# Altium PCB MCU063B_PCB.PcbDoc (part 5 of 9)
Units mil, origin at the board's own origin, x right, y up, seen from the top; angles counter-clockwise.
Board outline 4165.01 x 2371.03 mil, 10 copper layers (Top Layer, Internal Plane 2, Signal Layer 3, Signal Layer 4, Internal Plane 5, Internal Plane 6, Signal Layer 7, Signal Layer 8, Internal Plane 9, Bottom), stack 59.9 mil thick; 440 components, 394 nets, 1760 pads, 1251 vias.
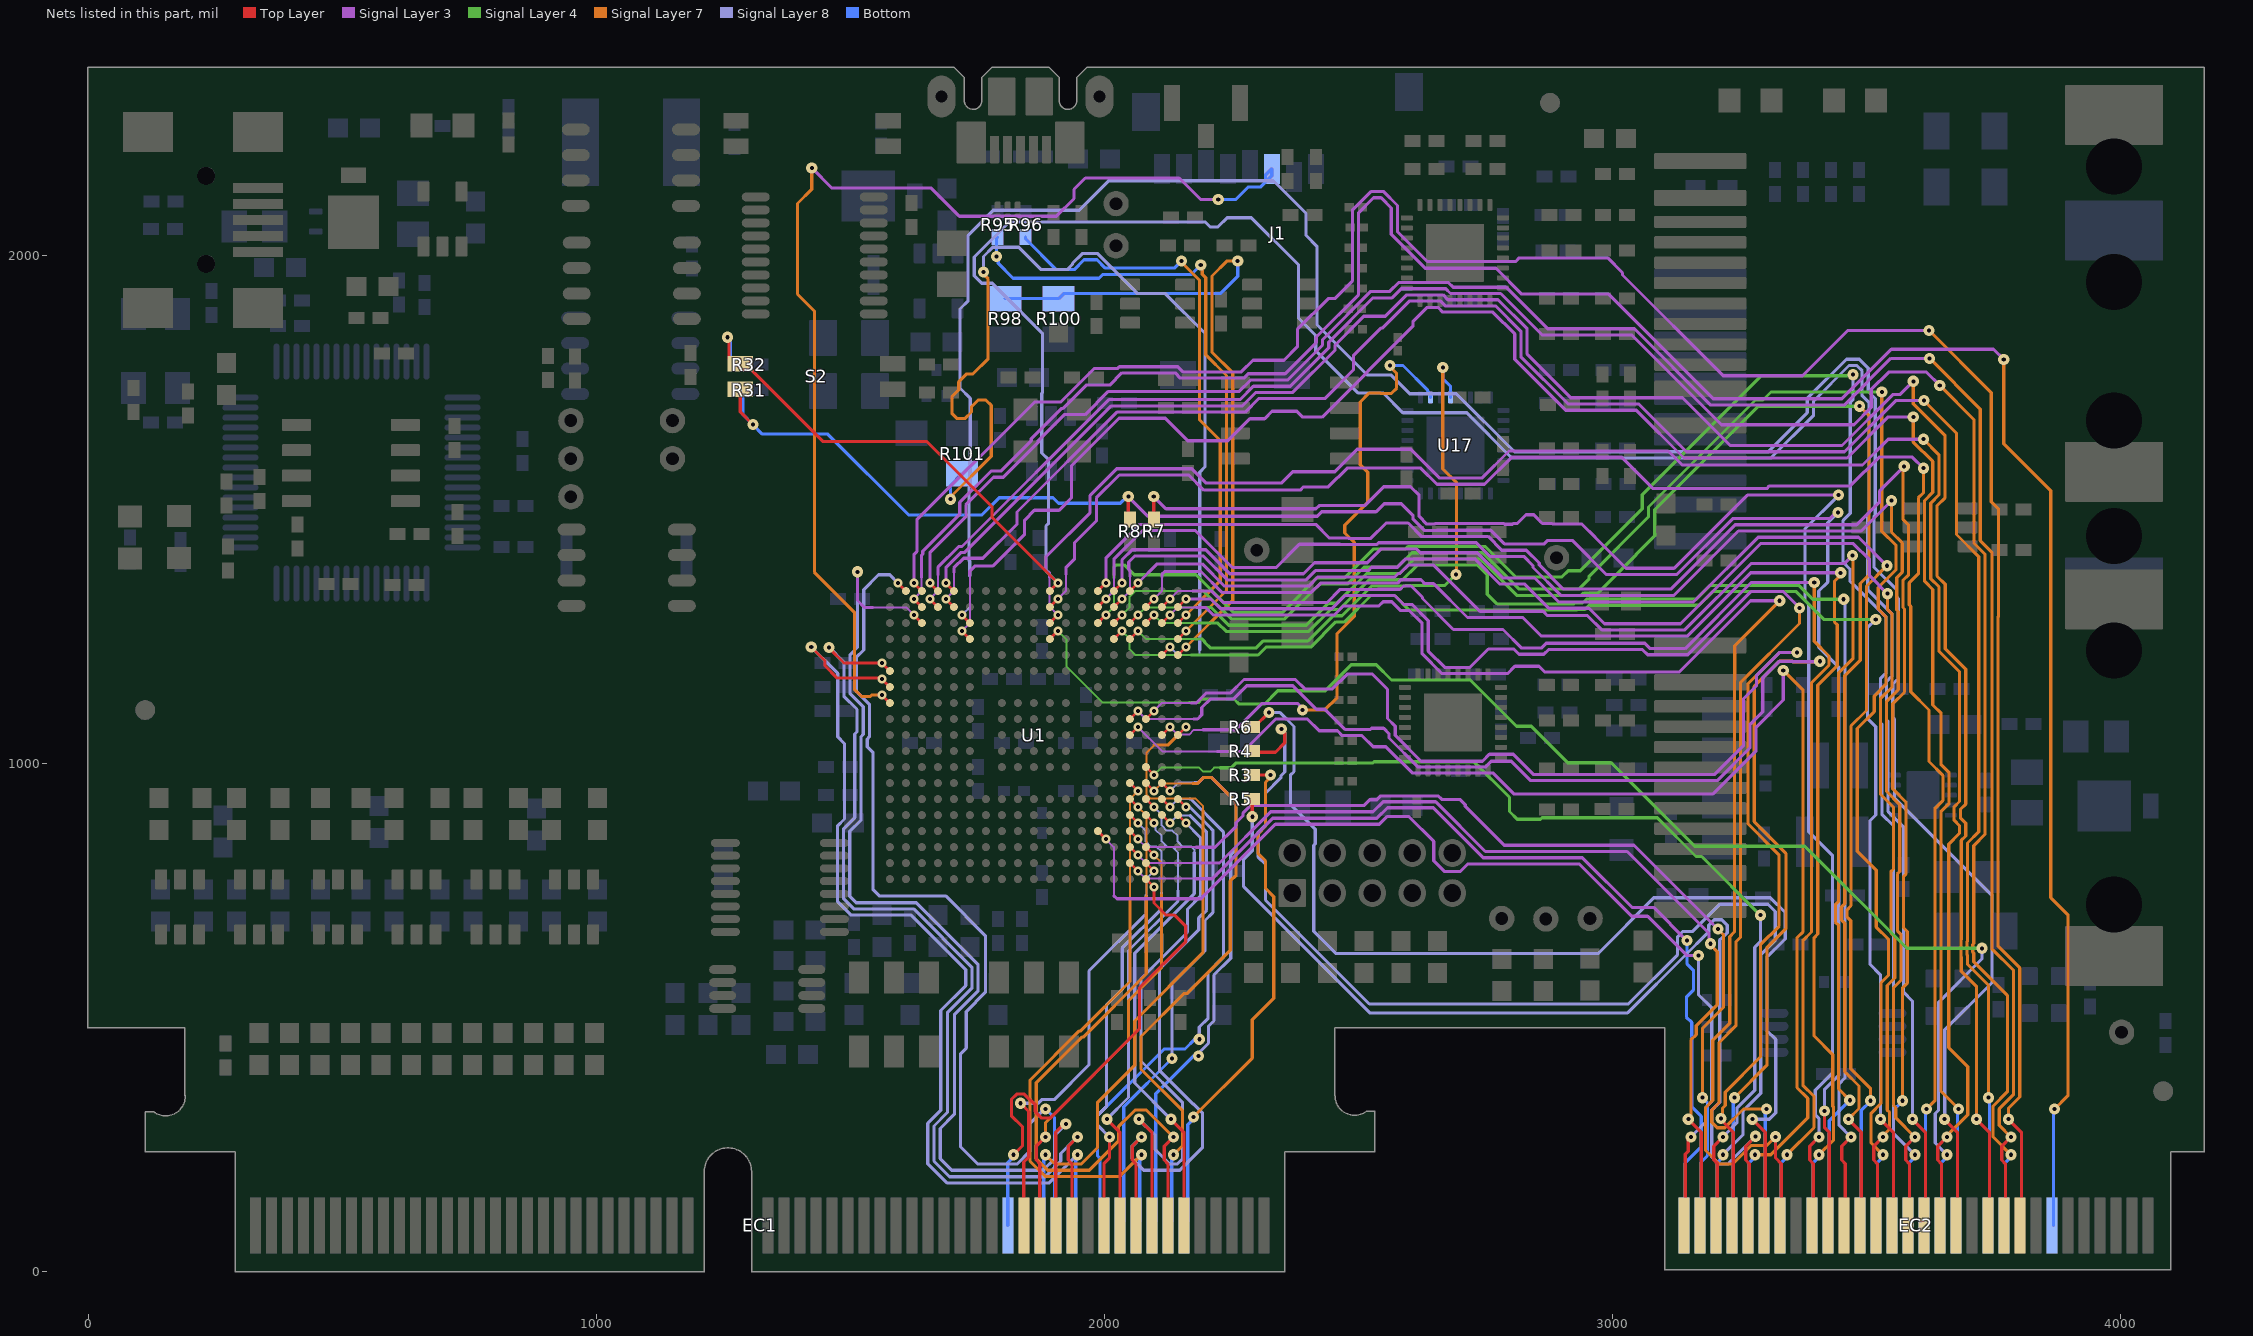
[diagram p13: the nets of this part, all layers, seen from the top]

## Via types
v1: diameter 22, hole 8, Top Layer to Bottom, tented both sides, 895 vias
v2: diameter 18, hole 8, Top Layer to Bottom, tented both sides, 334 vias
v3: diameter 19.68, hole 7.87, Top Layer to Bottom, tented both sides, 19 vias
v4: diameter 18, hole 7.87, Top Layer to Bottom, tented both sides, 1 vias
v5: diameter 18/18/18/18/18/18 (per signal layer), hole 8, Top Layer to Bottom, tented both sides, 1 vias
v6: diameter 22/22/22/22/22/22 (per signal layer), hole 8, Top Layer to Bottom, tented both sides, 1 vias

## Nets (pads, with @x,y where several pads share a name; then routed paths per layer and width w, separated by ;. In a path a pad name is that pad's centre, name@x,y a point inside that pad or via, vN(x,y) a via of type N, cw(c..) or ccw(c..) an arc to the next point about the centre after c; other vN are vias at no path point) (continued)
MCU_GPIO35: EC2.121 U1.T14 | length 2071.8
  Top Layer w6.25: U1.T14@1987.4,867.12 v2(2003.15,851.38) ; EC2.121@3143.43,91 3143.43,230.84 3149.23,236.65 3149.23,259.86 v1(3154.38,265)
  Signal Layer 3 w4: v2(2003.15,851.38) 2018.9,835.63 2018.9,739.62
  Signal Layer 3 w6.25: 2018.9,739.62 2024.82,733.7 2189.6,733.7 2336.55,880.65 2541.18,880.65 2556.03,895.5 2599.7,895.5 2648.35,846.85 2648.35,808.73 2669.73,787.35 2699.95,787.35 2714.9,802.3 2934.9,802.3 3037.89,699.31 3069.21,699.31 3146.21,622.31 v1(3169.21,622.31)
  Signal Layer 8 w6.25: v1(3154.38,265) 3183.25,293.87 3183.25,322.72 3195.33,334.8 3195.33,519.19 3169.21,545.31 v1(3169.21,622.31)
MCU_GPIO36: EC2.122 U1.V16 | length 1871.8
  Top Layer w6.25: U1.V16@2050.4,804.13 v2(2066.14,788.38)
  Signal Layer 3 w4: v2(2066.14,788.38) 2081.21,773.31 2179.21,773.31
  Signal Layer 3 w6.25: 2179.21,773.31 2212.21,773.31 2331.1,892.2 2536.4,892.2 2557.2,913 2647.28,913 2745.58,814.7 2940.7,814.7 3038.52,716.88 3081.13,716.88 v1(3146.51,651.5)
  Bottom w6.25: EC2.122@3143.43,91 3143.43,214.05 3174.93,245.55 3174.93,305.59 3156.02,324.5 3156.02,490.47 3145.55,500.93 3145.55,540.28 3159.33,554.07 3159.33,593.42 3146.51,606.24 v1(3146.51,651.5)
MCU_GPIO37: EC2.123 U1.U16 | length 1925.4
  Top Layer w6.25: U1.U16@2050.4,835.63 v2(2066.14,819.88) ; v1(3149.38,300) 3174.93,274.45 EC2.123@3174.93,91
  Signal Layer 3 w4: v2(2066.14,819.88) 2081.71,804.31 2181.21,804.31
  Signal Layer 3 w6.25: 2181.21,804.31 2226.71,804.31 2327.4,905 2528.86,905 2548.64,924.78 2652,924.78 2749.96,826.81 3028.83,826.81 3190.19,665.45 3190.19,648.33 v1(3193.21,645.31)
  Signal Layer 7 w6.25: v1(3149.38,300) 3154.52,305.15 3154.52,456.1 3164.96,466.54 3164.96,484.09 3206.33,525.46 3206.33,629.62 3193.21,642.75 v1(3193.21,645.31)
MCU_GPIO38: EC2.124 U1.T16 | length 1944
  Top Layer w6.25: U1.T16@2050.4,867.12 v2(2066.14,851.38)
  Signal Layer 3 w4: v2(2066.14,851.38) 2082.21,835.31 2180.21,835.31
  Signal Layer 3 w6.25: 2180.21,835.31 2217.84,835.31 2259.33,876.8 2259.33,883.93 2273.08,897.68 2273.08,902.82 2287.39,917.13 2510.66,917.13 2522.3,928.77 2536.3,928.77 2543.85,936.33 2656.78,936.33 2663.78,929.32 2699.61,929.32 2710.22,918.71 2710.22,915.74 2786.91,839.06 3042.46,839.06 3207.12,674.4 v1(3207.7,674.4)
  Signal Layer 7 w6.25: v1(3177.21,342.31) 3177.21,479.01 3218.58,520.39 3218.58,662.94 3207.7,673.82 v1(3207.7,674.4)
  Bottom w6.25: EC2.124@3174.93,91 3174.93,216.03 3187.21,228.31 3187.21,332.31 v1(3177.21,342.31)
MCU_GPIO39: EC1.88 U1.W17 | length 1007.8
  Top Layer w6.25: v1(1820.99,230) 1839.12,248.13 1839.12,284.59 1817.08,306.62 1817.08,338.82 1827.7,349.44 1842.71,349.44 1863.86,328.29 1863.86,315.03 1876.7,302.19 1893.71,302.19 2069.07,477.55 2069.07,558.15 2160.33,649.41 2160.33,679.82 2138.38,701.77 2121.26,701.77 2097.64,725.39 v2(2097.64,756.89) U1.W17@2081.89,772.63
  Bottom w6.25: EC1.88@1810.04,91 1810.04,214.05 1825.99,230 v1(1820.99,230)
MCU_GPIO40: EC1.89 U1.V17 | length 873.7
  Top Layer w6.25: v1(1835.21,331.31) 1851.37,315.15 1851.37,225.47 1841.54,215.65 EC1.89@1841.54,91 ; U1.V17@2081.89,804.13 v2(2097.64,788.38)
  Signal Layer 8 w4: 2082.64,741 2082.64,773.38 v2(2097.64,788.38)
  Signal Layer 8 w6.25: v1(1835.21,331.31) 1869.57,331.31 1876.7,338.44 1901.29,338.44 1969.71,406.86 1969.71,591.78 2082.64,704.72 2082.64,741
MCU_GPIO41: EC1.91 U1.U17 | length 862.6
  Top Layer w6.25: EC1.91@1873.04,91 1873.04,212.49 1865.86,219.66 1865.86,246.88 v1(1883.99,265) ; U1.U17@2081.89,835.63 v2(2097.64,819.88)
  Signal Layer 7 w4: v2(2097.64,819.88) 2112.64,804.88 2112.64,741.88
  Signal Layer 7 w6.25: v1(1883.99,265) 1883.99,292.46 2047.58,456.05 2047.58,533.41 2112.64,598.46 2112.64,741.88
MCU_GPIO42: R95.1 U1.D19 | length 1272.3
  Top Layer w6.25: U1.D19@2144.88,1245.08 v2(2160.63,1260.82)
  Signal Layer 7 w6.25: v2(2160.63,1260.82) 2240.38,1340.58 2240.38,1763.67 2199.63,1804.42 2199.63,1956.25 2192.77,1963.11 2192.77,1978.13 v1(2189.76,1981.14)
  Bottom w6.25: R95.1@1790.01,2036.38 1788.01,2034.38 v1(1788.01,1998) 1791.02,1994.99 1791.02,1984.35 1820.19,1955.19 1989.45,1955.19 1996.7,1962.44 2171.06,1962.44 v1(2189.76,1981.14)
MCU_GPIO43: R96.1 U1.C19 | length 1135.2
  Top Layer w6.25: U1.C19@2144.88,1276.57 v2(2160.63,1292.32)
  Signal Layer 7 w6.25: v1(2151.96,1989.19) 2151.96,1986.61 2187.38,1951.18 2187.38,1676.63 2228.13,1635.88 2228.13,1359.82 v2(2160.63,1292.32)
  Bottom w6.25: R96.1@1845.01,2036.38 1845.01,2032.44 1905.26,1972.19 1940.66,1972.19 1959.91,1991.44 1985.56,1991.44 2002,1975 2137.77,1975 v1(2151.96,1989.19)
MCU_GPIO44: U1.K18 U17.2 | length 1272.3
  Top Layer w6.25: U1.K18@2113.39,1056.1 v2(2129.14,1071.85)
  Signal Layer 3 w4: v2(2129.14,1071.85) 2144.14,1056.85 2166.85,1056.85 2176.31,1066.31 2194.21,1066.31
  Signal Layer 3 w6.25: 2194.21,1066.31 2258.95,1066.31 2311.08,1118.44 2380.08,1118.44 v1@2391.36,1107.16
  Signal Layer 7 w6.25: v1(2389.7,1105.5) 2434.14,1105.5 2458.08,1129.44 2458.08,1255.82 2491.76,1289.49 2491.76,1435.13 2473.08,1453.8 2473.08,1468.82 2518.33,1514.07 2518.33,1573.23 2503.83,1587.73 2503.83,1711.57 2521.7,1729.44 2542.58,1729.44 2543.83,1728.19 2564.71,1728.19 2575.33,1738.8 2575.33,1767.62 2562.21,1780.75 v1(2562.21,1783.31)
  Bottom w6.25: v1(2562.21,1783.31) 2587.9,1783.31 2636.22,1734.99 2636.22,1733.08 2641.86,1727.44 U17.2@2641.86,1720.55
MCU_GPIO45: EC1.92 U1.K19 | length 1348.9
  Top Layer w6.25: U1.K19@2144.88,1056.1 v2(2160.63,1071.85)
  Signal Layer 7 w4: 2098.21,1036.31 2082.64,1020.74 2082.64,939.65 2091.43,930.86 2179.66,930.86 2194,916.52 2194,907
  Signal Layer 7 w6.25: v1(1883.99,230) 1902.11,211.88 1954.49,211.88 1986.85,244.23 1986.85,333.24 2059.83,406.23 2059.83,493.3 2194,627.47 2194,907 ; 2098.21,1036.31 2125.1,1036.31 v2(2160.63,1071.85)
  Bottom w6.25: EC1.92@1873.04,91 1880.74,98.7 1880.74,222.49 1883.99,225.74 v1(1883.99,230)
MCU_GPIO46: R98.1 R100.2 U1.E19 | length 1376.3
  Top Layer w6.25: U1.E19@2144.88,1213.58 v2(2160.63,1229.33)
  Signal Layer 7 w6.25: v2(2160.63,1229.33) 2252.63,1321.33 2252.63,1768.74 2211.88,1809.49 2211.88,1959.51 2241.57,1989.19 v1(2262.45,1989.19)
  Bottom w6.25: R98.1@1805.01,1915 R100.2@1910.01,1915 1919.88,1924.88 1995.33,1924.88 2228.49,1924.85 2262.45,1958.81 v1(2262.45,1989.19)
MCU_GPIO47: R101.1 U1.E18 | length 1997.6
  Top Layer w6.25: U1.E18@2113.39,1213.58 v2(2129.14,1229.33)
  Signal Layer 7 w6.25: v1(1697.21,1520.31) 1697.21,1524.57 1777.33,1604.7 1777.33,1704.82 1766.71,1715.44 1751.7,1715.44 1738.61,1702.35 1738.61,1691.97 1725.52,1678.88 1710.5,1678.88 1699.88,1689.49 1699.88,1721.99 1713.29,1735.4 1713.29,1751.03 1729.14,1766.88 1741.52,1766.88 1771.33,1796.69 1771.33,1953.93 1762.21,1963.05 v1(1762.21,1967.31)
  Signal Layer 8 w4: v2(2129.14,1229.33) 2145.15,1213.31 2184.31,1213.31 2187.67,1216.67 2187.67,1223.78
  Signal Layer 8 w6.25: v1(1762.21,1967.31) 1762.21,1997.83 1780.5,2016.13 1831.64,2016.13 1875.58,1972.19 1926.71,1972.19 1937.33,1982.8 1937.33,1984.39 1956.63,2003.69 1987.31,2003.69 2066.12,1924.88 2119.77,1924.88 2198.13,1846.51 2198.13,1583.76 2187.67,1573.29 2187.67,1223.78
  Bottom w6.25: v1(1697.21,1520.31) 1697.21,1548.13 1719.08,1570 R101.1@1720.01,1570
MCU_GPIO48: EC1.99 U1.R16 | length 906
  Top Layer w6.25: EC1.99@1999.02,91 1999.02,212.49 2009.97,223.44 v1(2009.97,265) ; U1.R16@2050.4,898.62 v2(2066.14,882.87)
  Signal Layer 8 w4: v2(2066.14,882.87) 2081.14,867.87 2081.14,846.66 2091.43,836.38 2102.36,836.38 2112.64,826.09 2112.64,745.88
  Signal Layer 8 w6.25: v1(2009.97,265) 1986.85,288.13 1986.85,307.51 2004.08,324.74 2004.08,524.55 2035.33,555.8 2035.33,637.06 2112.64,714.37 2112.64,745.88
MCU_GPIO49: EC1.101 U1.R17 | length 908.7
  Top Layer w6.25: v1(2004.97,300) 2030.52,274.45 EC1.101@2030.52,91 ; U1.R17@2081.89,898.62 v2(2097.64,882.87)
  Signal Layer 8 w4: v2(2097.64,882.87) 2100.32,880.19 2100.32,869.91 2112.64,857.59 2112.64,846.66 2123.3,836 2134.23,836 2144.88,825.34 2144.88,749.83
  Signal Layer 8 w6.25: v1(2004.97,300) 2047.58,342.61 2047.58,631.98 2144.88,729.29 2144.88,749.83
MCU_GPIO50: EC1.103 U1.R18 | length 1209.9
  Top Layer w6.25: EC1.103@2062.01,91 2062.01,212.49 2054.84,219.66 2054.84,246.88 v1(2072.96,265) ; U1.R18@2113.39,898.62 v2(2129.14,882.87)
  Signal Layer 8 w4: v2(2129.14,882.87) 2144.14,897.87 2168.44,897.87
  Signal Layer 8 w6.25: v1(2072.96,265) 2054.84,246.88 2054.84,222.49 2077.7,199.63 2148.54,199.63 2193.33,244.42 2193.33,311.82 2174.96,330.19 2173.7,330.19 2108.8,395.09 2108.8,595.95 2185.83,672.98 2185.83,696.09 2201.26,711.52 2201.26,864.97 2194.45,871.78 2194.45,871.86 2168.44,897.87
MCU_GPIO51: EC1.105 U1.R19 | length 1139.6
  Top Layer w6.25: v1(2067.96,300) 2093.51,274.45 EC1.105@2093.51,91 ; U1.R19@2144.88,898.62 v2(2160.63,882.87)
  Signal Layer 8 w6.25: v1(2067.96,300) 2099.71,268.25 2099.71,240.61 2128.45,211.88 2143.46,211.88 2154.08,222.49 2154.08,332.48 2072.08,414.48 2072.08,576.55 2163.71,668.18 2163.71,713.46 2189.01,738.76 2189.01,854.5 v2(2160.63,882.87)
MCU_GPIO52: EC1.107 U1.P16 | length 1364
  Top Layer w6.25: U1.P16@2050.4,930.12 v2(2066.14,914.37) ; EC1.107@2125.01,91 2125.01,212.49 2117.83,219.66 2117.83,246.88 v1(2135.95,265)
  Signal Layer 7 w4: v2(2066.14,914.37) 2082.64,897.87 2082.64,737.88
  Signal Layer 7 w6.25: 2082.64,737.88 2082.64,585.79 1958.47,461.62 1955.88,461.62 1865.86,371.6 1865.86,222.49 1888.73,199.63 1970.23,199.63 2028.1,257.49 2028.1,285.77 2060.45,318.13 2082.83,318.13 v1(2135.95,265)
MCU_GPIO53: EC1.109 U1.P17 | length 983.3
  Top Layer w6.25: U1.P17@2081.89,930.12 v2(2097.64,914.37) ; v1(2130.95,300) 2156.5,274.45 EC1.109@2156.5,91
  Signal Layer 8 w4: v2(2097.64,914.37) 2112.64,899.37 2112.64,878.15 2122.94,867.86 2133.87,867.86 2144.18,857.55 2144.18,846.62 2154.48,836.31 2171.21,836.31 2177,830.52 2177,825
  Signal Layer 8 w6.25: v1(2130.95,300) 2059.83,371.12 2059.83,626.91 2177,744.08 2177,825
MCU_GPIO54: EC1.100 U1.P18 | length 1072.4
  Top Layer w6.25: U1.P18@2113.39,930.12 v2(2129.14,914.37)
  Signal Layer 8 w4: v2(2129.14,914.37) 2145.08,930.31 2167.49,930.31 2167.69,930.12
  Signal Layer 8 w6.25: 2167.69,930.12 2169.77,930.12 2234.33,865.55 2234.33,618.8 2204.33,588.8 2204.33,498.8 2186.9,481.37 v1(2186.9,457.3)
  Bottom w6.25: EC1.100@1999.02,91 1991.32,98.7 1991.32,223.01 1986.85,227.49 1986.85,307.51 2117.52,438.19 2158.71,438.19 2177.83,457.3 v1(2186.9,457.3)
MCU_GPIO55: EC1.102 U1.P19 | length 948
  Top Layer w6.25: U1.P19@2144.88,930.12 v2(2160.63,914.37)
  Signal Layer 8 w6.25: v1@2133.08,419.52 2133.08,566.55 2198.08,631.55 2198.08,691.02 2213.71,706.64 2213.71,868.86 2206,876.56 2206,876.64 2168.27,914.37 v2(2160.63,914.37)
  Bottom w6.25: EC1.102@2030.52,91 2038.22,98.7 2038.22,324.62 v1(2133.1,419.5)
MCU_GPIO56: EC1.104 U1.N16 | length 1233.3
  Top Layer w6.25: U1.N16@2050.4,961.61 v2(2066.14,945.86)
  Signal Layer 7 w4: 2050.59,734.7 2050.59,930.31 v2(2066.14,945.86)
  Signal Layer 7 w6.25: 2050.59,734.7 2050.59,571.07 1953.4,473.87 1950.81,473.87 1853.61,376.67 1853.61,217.42 1883.65,187.38 2030.34,187.38 v1(2072.96,230)
  Bottom w6.25: EC1.104@2062.01,91 2069.71,98.7 2069.71,222.49 2072.96,225.74 v1(2072.96,230)
MCU_GPIO57: EC1.106 U1.N18 | length 1091.1
  Top Layer w6.25: U1.N18@2113.39,961.61 v2(2129.14,945.86)
  Signal Layer 8 w4: v2(2129.14,945.86) 2145.58,962.31 2177.21,962.31
  Signal Layer 8 w6.25: 2177.21,962.31 2184.98,962.31 2195.39,972.72 2210.41,972.72 2259.33,923.8 2259.33,831.05 2248.63,820.35 2248.63,616.77 2215.88,584.02 2215.88,494.02 2205.03,483.16 2205.03,449.79 2185.6,430.37 v1(2185.6,424.5)
  Bottom w6.25: EC1.106@2093.51,91 2101.21,98.7 2101.21,349.95 2175.76,424.5 v1(2185.6,424.5)
MCU_GPIO58: EC1.108 U1.N17 | length 1175.4
  Top Layer w6.25: U1.N17@2081.89,961.61 v2(2097.64,945.86)
  Signal Layer 7 w4: v2(2097.64,945.86) 2112.64,960.86 2174,960.86
  Signal Layer 7 w6.25: v1(2135.95,230) 2154.08,248.13 2154.08,316.6 2072.08,398.6 2072.08,462.82 2156.89,547.62 2163.15,547.62 2247.96,632.43 2247.96,768.94 2259.33,780.31 2259.33,923.8 2210.41,972.72 2195.39,972.72 2183.53,960.86 2174,960.86
  Bottom w6.25: EC1.108@2125.01,91 2132.71,98.7 2132.71,222.49 2135.95,225.74 v1(2135.95,230)
MCU_GPIO59: EC1.110 R3.1 | length 1018.8
  Top Layer w6.25: R3.1@2290.87,977.36 2290.92,977.31 v1(2327.21,977.31)
  Signal Layer 7 w6.25: v1(2175.21,304.31) 2291.08,420.19 2291.08,495.55 2333.4,537.87 2333.4,715.07 2333.39,737.98 2317.08,754.29 2317.08,808.4 2302.7,822.78 2302.7,861.82 2317.08,876.2 2317.08,962.93 2327.21,973.05 v1(2327.21,977.31)
  Bottom w6.25: EC1.110@2156.5,91 2164.2,98.7 2164.2,289.05 2175.21,300.05 v1(2175.21,304.31)
MCU_GPIO60: EC2.125 U1.M17 | length 2029
  Top Layer w6.25: U1.M17@2081.89,993.11 v2(2097.64,977.36) ; EC2.125@3206.42,91 3206.42,212.49 3199.25,219.67 3199.25,246.88 v1(3217.37,265)
  Signal Layer 4 w4: v2(2097.64,977.36) 2112.64,992.36 2186.12,992.36 2194.3,984.18 2208.39,984.18 2216.01,991.8 2227.9,991.8
  Signal Layer 4 w6.25: 2227.9,991.8 2250,991.8 2259.39,1001.19 2528.71,1001.19 2530.96,1003.44 2727.28,1003.44 2797.33,933.38 2797.33,905.55 2812.7,890.19 2858.45,890.19 2861.7,893.44 3088.08,893.44 3164.41,817.11 3175.59,817.11 v1(3291.2,701.5)
  Signal Layer 8 w6.25: v1(3217.37,265) 3244.99,292.62 3244.99,321.46 3280.21,356.68 3280.21,638.11 3291.2,649.11 v1(3291.2,701.5)
MCU_GPIO61: EC2.126 R4.1 | length 2337.9
  Top Layer w6.25: R4.1@2290.87,1024.6 2293.25,1022.23 2336.87,1022.23 2355.21,1040.57 2355.21,1060.89 v1(2348.3,1067.8)
  Signal Layer 8 w6.25: v1(2348.3,1067.8) 2355.21,1060.89 2355.21,983.27 2347.49,975.55 2347.49,971.96 2317.08,941.55 2317.08,879.6 2302.76,865.27 2302.76,815.92 2317.08,801.6 2317.08,731.22 2521.6,526.7 3031.1,526.7 3128.38,623.98 3128.38,659 3139,669.62 3158.12,669.62 3211.5,723 3306.1,723 3320.4,708.7 3320.4,652.46 3291.83,623.89 3291.83,350.98 3257.24,316.39 3257.24,269.87 v1(3217.37,230)
  Bottom w6.25: EC2.126@3206.42,91 3206.42,214.05 3222.37,230 v1(3217.37,230)
MCU_GPIO62: EC2.127 U1.J17 | length 2906.6
  Top Layer w6.25: U1.J17@2081.89,1087.6 v2(2097.64,1103.34) ; v1(3213.62,301.25) 3213.62,298.75 3237.92,274.45 EC2.127@3237.92,91
  Signal Layer 3 w4: v2(2097.64,1103.34) 2113.39,1119.09 2170.99,1119.09
  Signal Layer 3 w6.25: 2170.99,1119.09 2181.09,1119.09 2201.06,1139.06 2248.61,1139.06 2274.92,1165.38 2376.1,1165.38 2394.6,1146.88 2448.88,1146.88 2477.95,1175.94 2509.21,1175.94 2509.7,1176.44 2526.78,1176.44 2557.21,1146.01 2557.21,1088.69 2572.58,1073.31 2572.58,1055.29 2623.27,1004.6 2744.22,1004.6 2757.93,1018.32 2804.68,1018.32 2844.32,978.69 3201.23,978.69 3258.21,1035.66 3258.21,1127.99 3283.71,1153.49 3283.71,1173.77 3328.25,1218.31 v1(3363.21,1218.31)
  Signal Layer 7 w6.25: v1(3213.62,301.25) 3216.63,304.26 3216.63,321.46 3222.08,326.91 3222.08,353.19 3291.21,422.31 3291.21,643.11 3328.1,680 3328.1,819.83 3266.83,881.1 3266.83,1156.89 3328.25,1218.31 v1(3363.21,1218.31)
MCU_GPIO63: EC2.128 U1.J16 | length 2944.8
  Top Layer w6.25: U1.J16@2050.4,1087.6 v2(2066.14,1103.34)
  Signal Layer 3 w4: v2(2066.14,1103.34) 2081.89,1087.6 2175.21,1087.6
  Signal Layer 3 w6.25: 2175.21,1087.6 2183.6,1087.6 2191.7,1095.7 2191.7,1110.32 2208.19,1126.81 2253.68,1126.81 2279.99,1153.13 2371.03,1153.13 2417.28,1106.88 2433.77,1106.88 2473.46,1067.19 2523.71,1067.19 2525.96,1069.44 2549.71,1069.44 2560.33,1058.82 2560.33,1050.21 2617.5,993.05 2749.99,993.05 2761.38,1004.44 2801.24,1004.44 2839.24,966.44 3206.3,966.44 3270.46,1030.59 3270.46,1076.52 3295.96,1102.02 3295.96,1168.69 3328.7,1201.44 3354.45,1201.44 3355.7,1200.19 3407.08,1200.19 v1(3408.21,1201.31)
  Signal Layer 7 w6.25: v1(3240.21,342.31) 3304.08,406.19 3304.08,637.27 3341.5,674.69 3341.5,823.23 3279.08,885.65 3279.08,1151.82 3328.7,1201.44 3354.45,1201.44 3355.7,1200.19 3407.08,1200.19 v1(3408.21,1201.31)
  Bottom w6.25: EC2.128@3237.92,91 3237.92,340.02 v1(3240.21,342.31)
MCU_GPIO64: EC2.129 R5.1 | length 2091.5
  Top Layer w6.25: R5.1@2290.87,930.12 2291.21,929.78 v1(2291.21,895.31) ; EC2.129@3269.41,91 3269.41,212.49 3262.24,219.67 3262.24,246.88 v1(3281.61,266.25)
  Signal Layer 8 w6.25: v1(2291.21,895.31) 2291.21,828.27 2274.08,811.15 2274.08,757.72 2522.5,509.3 3029.94,509.3 3035.79,515.15 3035.88,515.15 3139.93,619.2 3139.93,619.29 3189.58,668.93 3189.58,681.91 3200.19,692.52 3215.21,692.52 3225.83,681.91 3225.83,666.89 3215.21,656.27 3214.79,656.27 3211.33,652.82 3211.33,333.48 3195.5,317.64 3195.5,226.24 3209.86,211.88 3227.24,211.88 v1(3281.61,266.25)
MCU_GPIO65: EC2.130 U1.K16 | length 2757.1
  Top Layer w6.25: U1.K16@2050.4,1056.1 v2(2066.14,1071.85)
  Signal Layer 3 w4: v2(2066.14,1071.85) 2114.14,1023.86 2166.85,1023.86 2167,1023.7 2221.7,1023.7
  Signal Layer 3 w6.25: 2221.7,1023.7 2273.23,1023.7 2336.9,1087.38 2399.76,1087.38 2422.7,1064.44 2458.88,1064.44 2468.38,1054.94 2507.21,1054.94 2528.96,1033.19 2553.96,1033.19 2605.65,981.5 2764.4,981.5 2805.71,940.19 3198.05,940.19 3282.71,1024.84 3282.71,1071.44 3336.21,1124.94 v1(3336.21,1183.31)
  Signal Layer 7 w6.25: v1(3280.36,230) 3311.53,230 3384.47,302.94 3384.47,341.02 3363.33,362.17 3363.33,657.12 3375.33,669.13 3375.33,1144.19 v1(3336.21,1183.31)
  Bottom w6.25: EC2.130@3269.41,91 3269.41,214.05 3285.36,230 v1(3280.36,230)
MCU_GPIO66: EC2.131 R6.1 | length 2223.8
  Top Layer w6.25: R6.1@2290.87,1071.85 2294.81,1071.85 2323.27,1100.31 v1(2324.21,1100.31) ; v1(3275.36,300) 3300.91,274.45 EC2.131@3300.91,91
  Signal Layer 8 w6.25: v1(2324.21,1100.31) 2345.84,1100.31 2373.33,1072.82 2373.33,984.07 2366.08,976.82 2366.08,919.65 2415.03,870.71 2415.03,841.85 2412.13,838.95 2412.13,670 2456.2,625.94 2971.58,625.94 3081.44,735.8 3311,735.8 3340,706.8 3340,654.74 3304.08,618.82 3304.08,474.36 3321.48,456.96 3321.48,312.49 3308.99,300 v1(3275.36,300)
MCU_GPIO67: EC2.132 U1.B19 | length 2876.8
  Top Layer w6.25: U1.B19@2144.88,1308.07 v2(2160.63,1323.82)
  Signal Layer 3 w6.25: v2(2160.63,1323.82) 2209.73,1323.82 2228.92,1304.63 2447.52,1304.63 2473.46,1330.56 2543.5,1330.56 2543.63,1330.69 2571.2,1330.69 2588.7,1313.19 2605.61,1313.19 2637.66,1281.14 2637.66,1221.23 2669.7,1189.19 2719.71,1189.19 2755.96,1225.44 2805.71,1225.44 2816.21,1214.94 2865.2,1214.94 2874.7,1224.44 3058.71,1224.44 3069.21,1213.94 3148.09,1213.94 3272.59,1338.44 3336.71,1338.44 3368.21,1306.94 v1(3368.21,1306.31)
  Signal Layer 7 w6.25: v1(3303.36,320) 3258,320 3221.13,283.13 3206.11,283.13 3195.5,293.74 3195.5,317.64 3209.83,331.98 3209.83,450.64 3243.08,483.89 3243.08,648.78 3251.8,657.5 3251.8,1159.19 3368.21,1275.59 v1(3368.21,1306.31)
  Bottom w6.25: EC2.132@3300.91,91 3300.91,317.56 v1(3303.36,320)
MCU_GPIO68: EC2.133 U1.C18 | length 2900.3
  Top Layer w6.25: U1.C18@2113.39,1276.57 v2(2129.14,1292.32) ; v1(3321.21,265.31) 3321.21,223.69 3332.41,212.49 EC2.133@3332.41,91
  Signal Layer 3 w4: v2(2129.14,1292.32) 2144.14,1307.32 2181.2,1307.32
  Signal Layer 3 w6.25: 2181.2,1307.32 2199.06,1307.32 2214,1292.38 2452.59,1292.38 2470.16,1309.94 2540.2,1309.94 2548.7,1318.44 2565.87,1318.44 2583.37,1300.94 2600.54,1300.94 2625.41,1276.07 2625.41,1216.16 2664.63,1176.94 2793.46,1176.94 2807.96,1191.44 2855.45,1191.44 2866.7,1180.19 3131.66,1180.19 3271.78,1320.31 v1(3329.21,1320.31)
  Signal Layer 7 w6.25: v1(3321.21,265.31) 3304.02,248.13 3272.86,248.13 3236.61,211.88 3209.86,211.88 3183.25,238.49 3183.25,322.72 3197.58,337.05 3197.58,455.71 3230.83,488.96 3230.83,659.13 3240.25,668.55 3240.25,1163.97 3240.7,1164.42 3240.7,1231.8 v1(3329.21,1320.31)
MCU_GPIO69: EC2.134 U1.B18 | length 2775.1
  Top Layer w6.25: U1.B18@2113.39,1308.07 v2(2129.14,1323.82)
  Signal Layer 3 w4: v2(2129.14,1323.82) 2144.63,1339.31 2173.21,1339.31
  Signal Layer 3 w6.25: 2173.21,1339.31 2211.56,1339.31 2234,1316.88 2438.52,1316.88 2464.45,1342.81 2538.43,1342.81 2538.55,1342.94 2582.2,1342.94 2588.7,1349.44 2603.71,1349.44 2626.08,1327.07 2626.08,1324.8 2687.07,1263.81 2784.66,1263.81 2821.29,1227.19 2860.13,1227.19 2869.63,1236.69 3063.79,1236.69 3074.29,1226.19 3143.01,1226.19 3273.14,1356.31 v1(3397.21,1356.31)